# Altium PCB MailboxSensorV2.PcbDoc (part 1 of 2) (continued)
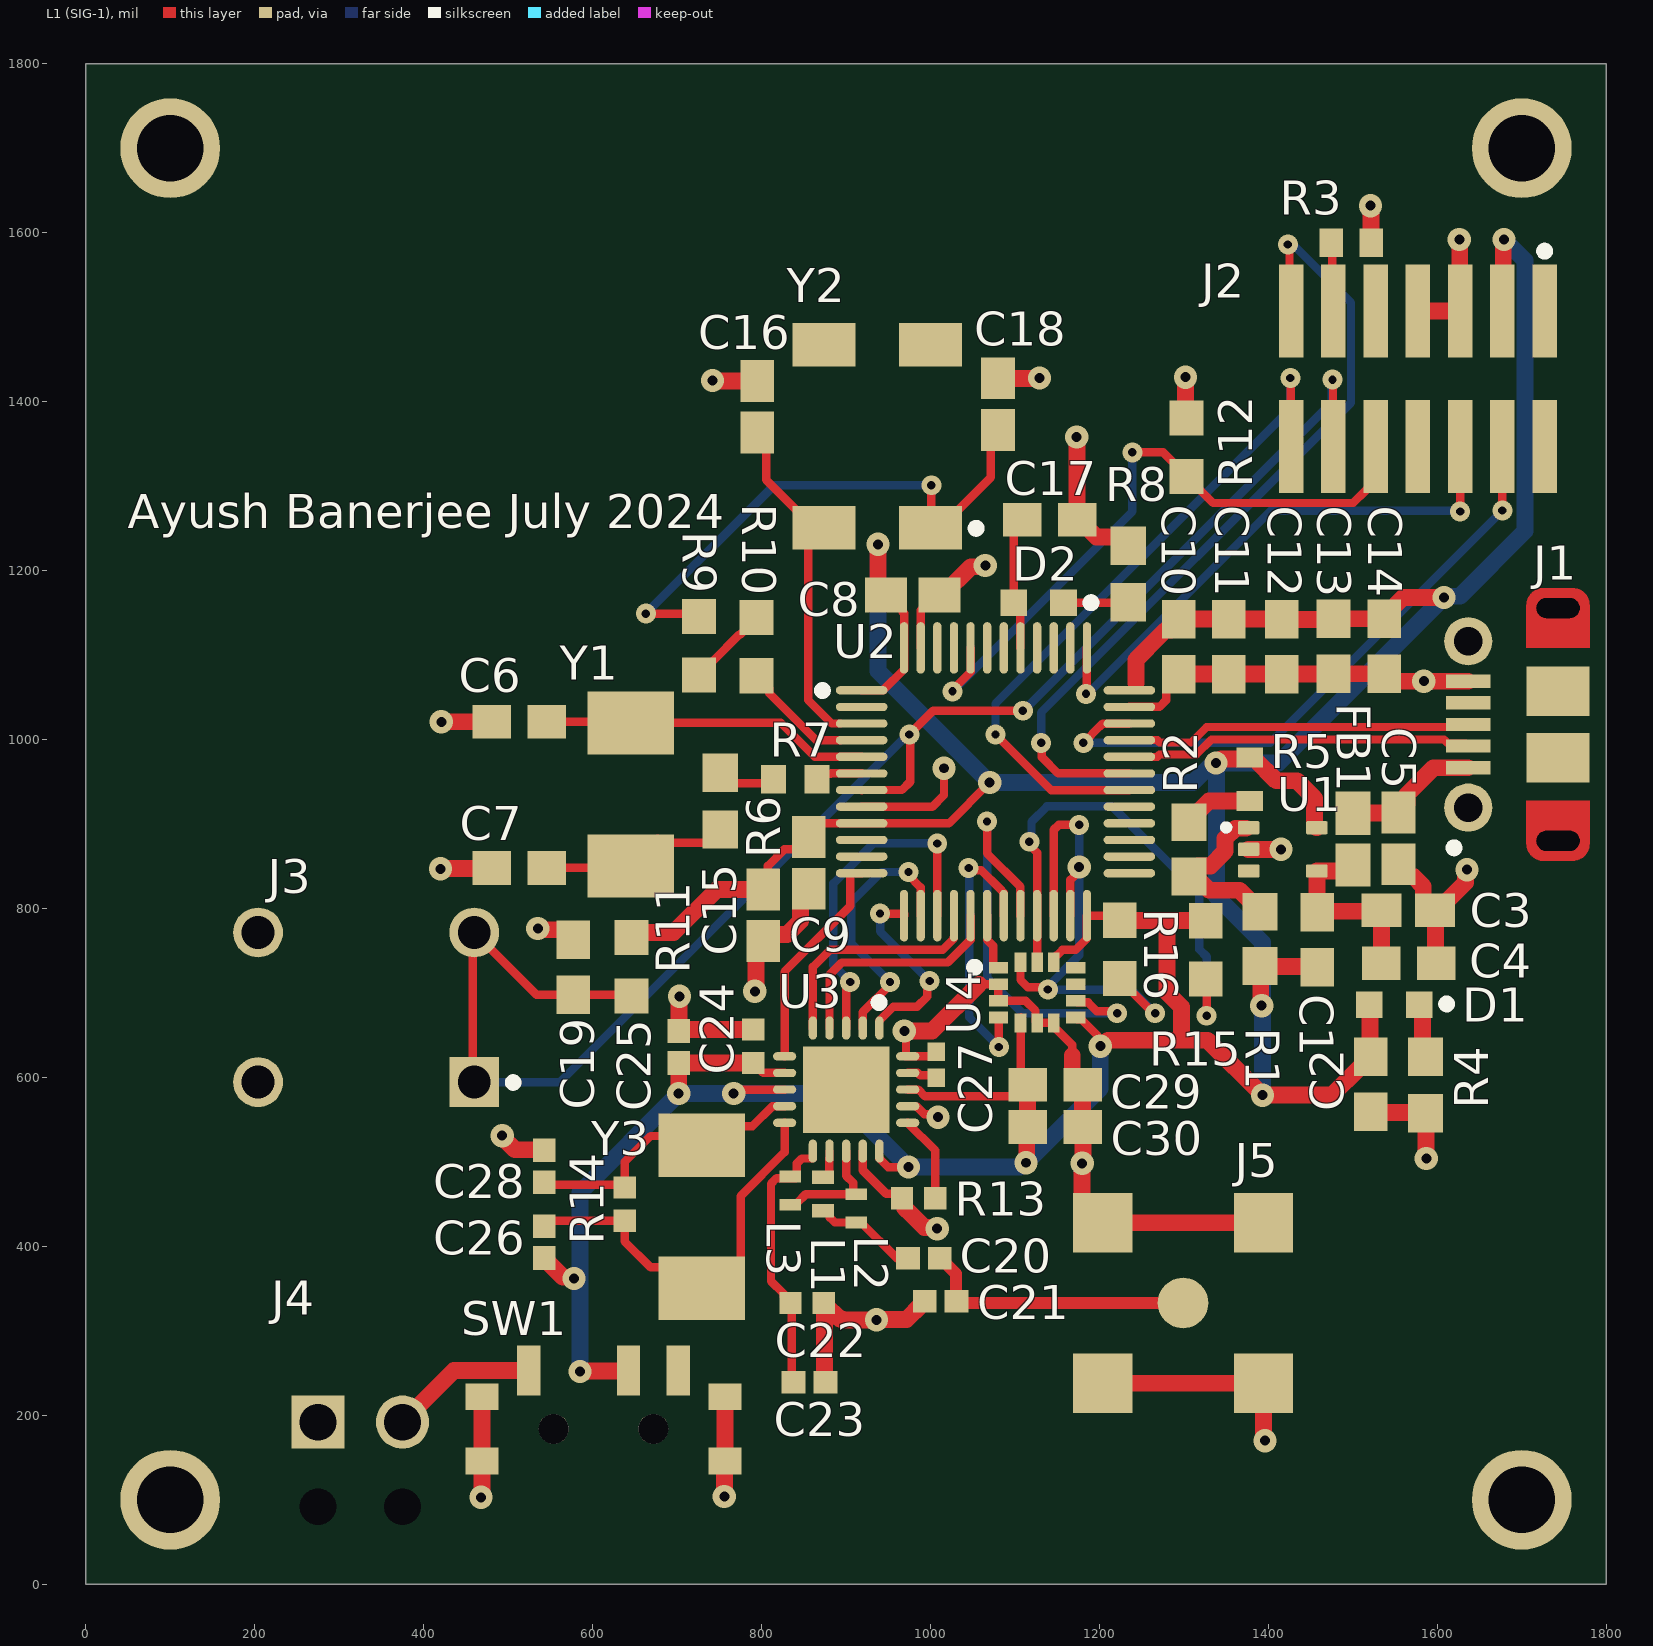
[diagram p0: L1 (SIG-1) view]
## Part data (continued)
C24: library part 10nF_0402_Capacitor, "Ceramic Capacitor, Multilayer, Ceramic, 16V, 10% +Tol, 10% -Tol, X7R, 15% TC, 0.01uF, Surface Mount, 0402, CC0402KRX7R7BB103", Capacitor Type=Ceramic, Case/Package=0402, Manufacturer=Yageo, Manufacturer Part Number=CC0402KRX7R7BB103, Max Operating Temperature=125°C, Min Operating Temperature=-55°C, Package Shape=Rectangular, Package Style=SMTMeter, Rated DC Voltage (URdc)=16V, Supplier Part Number=311-1042-1-ND, Temperature Characteristics Code=X7R, Tolerance  (fill in as +-)=10%, Category="Ceramic Capacitors", ComponentLink1Description=https://datasheet.ciiva.com:443/pdfs/VipMasterIC/IC/YAGO/YAGO-S-A0003557223/YAGO-S-A0003557223-1.pdf?src-supplier=IHS+Markit, ComponentLink1URL=https://datasheet.ciiva.com:443/pdfs/VipMasterIC/IC/YAGO/YAGO-S-A0003557223/YAGO-S-A0003557223-1.pdf?src-supplier=IHS+Markit, ComponentLink2Description=https://datasheet.ciiva.com/143/mlccorderingcode-143950.pdf?src-supplier=Digikey, ComponentLink2URL=https://datasheet.ciiva.com/143/mlccorderingcode-143950.pdf?src-supplier=Digikey, ComponentLink3Description=https://datasheet.ciiva.com/143/mlccorderingcode-143951.pdf?src-supplier=Digikey, ComponentLink3URL=https://datasheet.ciiva.com/143/mlccorderingcode-143951.pdf?src-supplier=Digikey, ComponentLink4Description=https://datasheet.ciiva.com/143/upy-gphc-x7r-6-3v-to-50v-8-143952.pdf?src-supplier=Digikey, ComponentLink4URL=https://datasheet.ciiva.com/143/upy-gphc-x7r-6-3v-to-50v-8-143952.pdf?src-supplier=Digikey, ComponentLink5Description=https://datasheet.ciiva.com/28450/1489800-28450330.pdf?src-supplier=Element14, ComponentLink5URL=https://datasheet.ciiva.com/28450/1489800-28450330.pdf?src-supplier=Element14, ComponentLink6Description=https://datasheet.ciiva.com/8033/70765-8033655.pdf?src-supplier=Element14, ComponentLink6URL=https://datasheet.ciiva.com/8033/70765-8033655.pdf?src-supplier=Element14, ComponentLink7Description=https://datasheet.ciiva.com/8033/1489800-8033658.pdf?src-supplier=Element14, ComponentLink7URL=https://datasheet.ciiva.com/8033/1489800-8033658.pdf?src-supplier=Element14, ComponentLink8Description=https://datasheet.ciiva.com/8033/1489800-8033659.pdf?src-supplier=Element14, ComponentLink8URL=https://datasheet.ciiva.com/8033/1489800-8033659.pdf?src-supplier=Element14, ComponentLink9Description=https://datasheet.ciiva.com/5425/upy-gp-np0-16v-to-50v-8-3714-5425438.pdf?src-supplier=Mouser, ComponentLink9URL=https://datasheet.ciiva.com/5425/upy-gp-np0-16v-to-50v-8-3714-5425438.pdf?src-supplier=Mouser, ComponentLink10Description=https://datasheet.ciiva.com/7978/1489800-7978109.pdf?src-supplier=Element14, ComponentLink10URL=https://datasheet.ciiva.com/7978/1489800-7978109.pdf?src-supplier=Element14, Dielectric Material=Ceramic, Height=0.5mm, JESD-609 Code=e3, Length=1mm, Mounting Technology="Surface Mount", Multilayer=Yes, Packaging="Tape and Reel", Pins=2, Pricing="1=0.1, 10=0.015, 50=0.0088, 100=0.0068, 500=0.0051, 1000=0.004, 2500=0.00364, 5000=0.00335 (USD)", Reach SVHC Compliant=Yes, RoHS=Yes, RoHS Compliant=Yes, Stock=1013311, Supplier=Digikey, Supplier 1=Digikey, Supplier Part Number 1=311-1042-1-ND, Terminal Finish=Nickel, Termination=Wraparound, Tolerance (fill in as +-)=10%, Width=0.5mm
C25: library part 1nF_0402_Capacitor, "Ceramic Capacitor, Multilayer, Ceramic, 50V, 5% +Tol, 5% -Tol, C0G, 30ppm/Cel TC, 0.001uF, Surface Mount, 0402, GRM1555C1H102JA01D", Capacitor Type=Ceramic, Case/Package=0402, Manufacturer=Murata, Manufacturer Part Number=GRM1555C1H102JA01D, Max Operating Temperature=125°C, Min Operating Temperature=-55°C, Package Shape=Rectangular, Package Style=SMTMeter, Rated DC Voltage (URdc)=50V, Supplier Part Number=490-3244-1-ND, Temperature Characteristics Code=C0G, Tolerance  (fill in as +-)=5%, Category="Ceramic Capacitors", ComponentLink1Description=https://psearch.en.murata.com:443/capacitor/product/GRM1555C1H102JA01%23.pdf?src-supplier=IHS+Markit, ComponentLink1URL=https://psearch.en.murata.com:443/capacitor/product/GRM1555C1H102JA01%23.pdf?src-supplier=IHS+Markit, ComponentLink2Description=https://datasheet.ciiva.com/11786/0900766b807a1cab-11786727.pdf?src-supplier=Rs, ComponentLink2URL=https://datasheet.ciiva.com/11786/0900766b807a1cab-11786727.pdf?src-supplier=Rs, ComponentLink3Description=https://datasheet.ciiva.com/132/grm1555c1h102ja01-01-132799.pdf?src-supplier=Digikey, ComponentLink3URL=https://datasheet.ciiva.com/132/grm1555c1h102ja01-01-132799.pdf?src-supplier=Digikey, ComponentLink4Description=https://datasheet.ciiva.com/132/product-132800.pdf?src-supplier=Digikey, ComponentLink4URL=https://datasheet.ciiva.com/132/product-132800.pdf?src-supplier=Digikey, ComponentLink5Description=https://datasheet.ciiva.com/18184/getdatasheetpartid-90260-18184180.pdf?src-supplier=Verical, ComponentLink5URL=https://datasheet.ciiva.com/18184/getdatasheetpartid-90260-18184180.pdf?src-supplier=Verical, ComponentLink6Description=https://datasheet.ciiva.com/34302/1855908-34302849.pdf?src-supplier=Jameco, ComponentLink6URL=https://datasheet.ciiva.com/34302/1855908-34302849.pdf?src-supplier=Jameco, ComponentLink7Description=https://datasheet.ciiva.com/29200/453569-da-01-en-vs-kondensator-0402-29200121.pdf?src-supplier=Conrad, ComponentLink7URL=https://datasheet.ciiva.com/29200/453569-da-01-en-vs-kondensator-0402-29200121.pdf?src-supplier=Conrad, ComponentLink8Description=https://datasheet.ciiva.com/14116/grmseries-tc-hitype-eng-14116858.pdf?src-supplier=Distrelec, ComponentLink8URL=https://datasheet.ciiva.com/14116/grmseries-tc-hitype-eng-14116858.pdf?src-supplier=Distrelec, ComponentLink9Description=https://datasheet.ciiva.com/14116/grmseries-tc-hitype-eng-14116919.pdf?src-supplier=Distrelec, ComponentLink9URL=https://datasheet.ciiva.com/14116/grmseries-tc-hitype-eng-14116919.pdf?src-supplier=Distrelec, ComponentLink10Description=https://datasheet.ciiva.com/7828/4360-7828821.pdf?src-supplier=Element14, ComponentLink10URL=https://datasheet.ciiva.com/7828/4360-7828821.pdf?src-supplier=Element14, ComponentLink11Description=https://datasheet.ciiva.com/7828/1747436-7828822.pdf?src-supplier=Element14, ComponentLink11URL=https://datasheet.ciiva.com/7828/1747436-7828822.pdf?src-supplier=Element14, ComponentLink12Description=https://datasheet.ciiva.com/132/grm1555c1h102ja01-01-132801.pdf?src-supplier=Digikey, ComponentLink12URL=https://datasheet.ciiva.com/132/grm1555c1h102ja01-01-132801.pdf?src-supplier=Digikey, Dielectric Material=Ceramic, Height=0.5mm, JESD-609 Code=e3, Length=1mm, Mounting Technology="Surface Mount", Multilayer=Yes, Packaging="Tape and Reel", Pins=2, Pricing="1=0.1, 10=0.025, 50=0.0146, 100=0.0113, 500=0.00848, 1000=0.00666, 2500=0.00605, 5000=0.00557 (USD)", Reach SVHC Compliant=Yes, RoHS=Yes, RoHS Compliant=Yes, Stock=19426344, Supplier=Digikey, Supplier 1=Digikey, Supplier Part Number 1=490-3244-1-ND, Terminal Finish=Nickel, Termination=Wraparound, Tolerance (fill in as +-)=5%, Width=0.5mm
C26 C28: library part 20pF_0402_Capacitor, "Ceramic Capacitor, Multilayer, Ceramic, 50V, 5% +Tol, 5% -Tol, C0G, 30% TC, 0.00002uF, Surface Mount, 0402, GJM1555C1H200JB01D", Capacitor Type=Ceramic, Case/Package=0402, Manufacturer=Murata, Manufacturer Part Number=GJM1555C1H200JB01D, Max Operating Temperature=125°C, Min Operating Temperature=-55°C, Package Shape=Rectangular, Package Style=SMTMeter, Rated DC Voltage (URdc)=50V, Supplier Part Number=490-3120-1-ND, Temperature Characteristics Code=C0G, Tolerance  (fill in as +-)=5%, Category="Ceramic Capacitors", ComponentLink1Description=https://datasheet.ciiva.com:443/pdfs/VipMasterIC/IC/MURE/MURE-S-A0004383799/MURE-S-A0004383921-1.pdf?src-supplier=IHS+Markit, ComponentLink1URL=https://datasheet.ciiva.com:443/pdfs/VipMasterIC/IC/MURE/MURE-S-A0004383799/MURE-S-A0004383921-1.pdf?src-supplier=IHS+Markit, ComponentLink2Description=https://datasheet.ciiva.com/165/product-165055.pdf?src-supplier=Digikey, ComponentLink2URL=https://datasheet.ciiva.com/165/product-165055.pdf?src-supplier=Digikey, ComponentLink3Description=https://datasheet.ciiva.com/29540/partnumbering-e-01-29540584.pdf?src-supplier=Digikey, ComponentLink3URL=https://datasheet.ciiva.com/29540/partnumbering-e-01-29540584.pdf?src-supplier=Digikey, ComponentLink4Description=https://datasheet.ciiva.com/29540/partnumbering-e-01-29540583.pdf?src-supplier=Digikey, ComponentLink4URL=https://datasheet.ciiva.com/29540/partnumbering-e-01-29540583.pdf?src-supplier=Digikey, Dielectric Material=Ceramic, Height=0.5mm, JESD-609 Code=e3, Length=1mm, Mounting Technology="Surface Mount", Multilayer=Yes, Packaging="Tape and Reel", Pins=2, Pricing="1=0.17, 10=0.116, 50=0.0694, 100=0.0546, 500=0.0403, 1000=0.03337, 2500=0.03106, 5000=0.02841 (USD)", Reach SVHC Compliant=Yes, RoHS=Yes, RoHS Compliant=Yes, Stock=56145, Supplier=Digikey, Supplier 1=Digikey, Supplier Part Number 1=490-3120-1-ND, Terminal Finish=Nickel, Termination=Wraparound, Tolerance (fill in as +-)=5%, Width=0.5mm
C27: library part 33nF_0402_Capacitor, "Ceramic Capacitor, Multilayer, Ceramic, 25V, 10% +Tol, 10% -Tol, X7R, 15% TC, 0.033uF, Surface Mount, 0402, GRM155R71E333KA88D", Capacitor Type=Ceramic, Case/Package=0402, Manufacturer=Murata, Manufacturer Part Number=GRM155R71E333KA88D, Max Operating Temperature=125°C, Min Operating Temperature=-55°C, Package Shape=Rectangular, Package Style=SMTMeter, Rated DC Voltage (URdc)=25V, Supplier Part Number=490-3253-1-ND, Temperature Characteristics Code=X7R, Tolerance  (fill in as +-)=10%, Category="Ceramic Capacitors", ComponentLink1Description=https://datasheet.ciiva.com:443/pdfs/VipMasterIC/IC/MURE/MURE-S-A0004362469/MURE-S-A0004364704-1.pdf?src-supplier=IHS+Markit, ComponentLink1URL=https://datasheet.ciiva.com:443/pdfs/VipMasterIC/IC/MURE/MURE-S-A0004362469/MURE-S-A0004364704-1.pdf?src-supplier=IHS+Markit, ComponentLink2Description=https://datasheet.ciiva.com/131/product-131792.pdf?src-supplier=Digikey, ComponentLink2URL=https://datasheet.ciiva.com/131/product-131792.pdf?src-supplier=Digikey, ComponentLink3Description=https://datasheet.ciiva.com/18184/getdatasheetpartid-153135-18184704.pdf?src-supplier=Verical, ComponentLink3URL=https://datasheet.ciiva.com/18184/getdatasheetpartid-153135-18184704.pdf?src-supplier=Verical, ComponentLink4Description=https://datasheet.ciiva.com/7937/608985-7937622.pdf?src-supplier=Element14, ComponentLink4URL=https://datasheet.ciiva.com/7937/608985-7937622.pdf?src-supplier=Element14, ComponentLink5Description=https://datasheet.ciiva.com/131/grm155r71e333ka88-01-131793.pdf?src-supplier=Digikey, ComponentLink5URL=https://datasheet.ciiva.com/131/grm155r71e333ka88-01-131793.pdf?src-supplier=Digikey, ComponentLink6Description=https://datasheet.ciiva.com/131/grm155r71e333ka88-01-131794.pdf?src-supplier=Digikey, ComponentLink6URL=https://datasheet.ciiva.com/131/grm155r71e333ka88-01-131794.pdf?src-supplier=Digikey, ComponentLink7Description=https://datasheet.ciiva.com/2989/product-2989391.pdf?src-supplier=Avnet, ComponentLink7URL=https://datasheet.ciiva.com/2989/product-2989391.pdf?src-supplier=Avnet, ComponentLink8Description=https://datasheet.ciiva.com/2989/product-2989392.pdf?src-supplier=Avnet, ComponentLink8URL=https://datasheet.ciiva.com/2989/product-2989392.pdf?src-supplier=Avnet, ComponentLink9Description=https://datasheet.ciiva.com/14103/grmseries-highdielectrictype-eng-14103753.pdf?src-supplier=Distrelec, ComponentLink9URL=https://datasheet.ciiva.com/14103/grmseries-highdielectrictype-eng-14103753.pdf?src-supplier=Distrelec, ComponentLink10Description=https://datasheet.ciiva.com/16208/product-16208394.pdf?src-supplier=Future+Electronics, ComponentLink10URL=https://datasheet.ciiva.com/16208/product-16208394.pdf?src-supplier=Future+Electronics, Dielectric Material=Ceramic, Height=0.5mm, JESD-609 Code=e3, Length=1mm, Mounting Technology="Surface Mount", Multilayer=Yes, Packaging="Tape and Reel", Pins=2, Pricing="1=0.1, 10=0.059, 50=0.034, 100=0.0263, 500=0.01982, 1000=0.01558, 2500=0.01416, 5000=0.01303 (USD)", Reach SVHC Compliant=Yes, RoHS=Yes, RoHS Compliant=Yes, Stock=395671, Supplier=Digikey, Supplier 1=Digikey, Supplier Part Number 1=490-3253-1-ND, Terminal Finish=Nickel, Termination=Wraparound, Tolerance (fill in as +-)=10%, Width=0.5mm
D1: library part Green_LED, "Single Color LED, Yellow Green, 1.1mm, VLMG1300-GS08", Color=Green,Yellow, Forward Current=30mA, Forward Voltage=2.4V, Manufacturer="Vishay Semiconductors", Manufacturer Part Number=VLMG1300-GS08, Max Operating Temperature=85°C, Min Operating Temperature=-35°C, Reverse Voltage-Max=5V, Supplier Part Number=VLMG1300-GS08CT-ND, Additional Feature="HIGH RELIABILITY", Category=LEDs, Channels=1, Color@wavelength=Green, ComponentLink1Description=https://datasheet.ciiva.com:443/pdfs/VipMasterIC/IC/VISH/VISH-S-A0004564149/VISH-S-A0004564149-1.pdf?src-supplier=IHS+Markit, ComponentLink1URL=https://datasheet.ciiva.com:443/pdfs/VipMasterIC/IC/VISH/VISH-S-A0004564149/VISH-S-A0004564149-1.pdf?src-supplier=IHS+Markit, ComponentLink2Description=https://datasheet.ciiva.com/8028/vlmo1300-8028023.pdf?src-supplier=Element14, ComponentLink2URL=https://datasheet.ciiva.com/8028/vlmo1300-8028023.pdf?src-supplier=Element14, ComponentLink3Description=https://datasheet.ciiva.com/2114/vlmo1300-2114971.pdf?src-supplier=Digikey, ComponentLink3URL=https://datasheet.ciiva.com/2114/vlmo1300-2114971.pdf?src-supplier=Digikey, ComponentLink4Description=https://datasheet.ciiva.com/2114/vlmo1300-2114972.pdf?src-supplier=Digikey, ComponentLink4URL=https://datasheet.ciiva.com/2114/vlmo1300-2114972.pdf?src-supplier=Digikey, ComponentLink5Description=https://datasheet.ciiva.com/2114/vlmo1300-2114973.pdf?src-supplier=Digikey, ComponentLink5URL=https://datasheet.ciiva.com/2114/vlmo1300-2114973.pdf?src-supplier=Digikey, ComponentLink6Description=https://datasheet.ciiva.com/9333/vlmo1300-9333390.pdf?src-supplier=Avnet, ComponentLink6URL=https://datasheet.ciiva.com/9333/vlmo1300-9333390.pdf?src-supplier=Avnet, ComponentLink7Description=https://datasheet.ciiva.com/26322/vlmo1300-26322139.pdf?src-supplier=Element14, ComponentLink7URL=https://datasheet.ciiva.com/26322/vlmo1300-26322139.pdf?src-supplier=Element14, ComponentLink8Description=https://datasheet.ciiva.com/26322/vlmo1300-26322140.pdf?src-supplier=Element14, ComponentLink8URL=https://datasheet.ciiva.com/26322/vlmo1300-26322140.pdf?src-supplier=Element14, Luminous Intensity-Nom=35mcd, Mounting Technology="Surface Mount", Optoelectronic Device Type="DUAL COLOR LED", Overall Height=0.8mm, Packaging="Tape and Reel", Pins=2, Pricing="1=0.3, 10=0.237, 100=0.1065, 500=0.09616, 1000=0.07898 (USD)", Reach SVHC Compliant=Yes, RoHS=Yes, RoHS Compliant=Yes, Shape=Rectangular, Size=1.1mm, Stock=12007, Supplier=Digikey, Supplier 1=Digikey, Supplier Part Number 1=VLMG1300-GS08CT-ND, Terminal Pitch=1.5mm, Viewing Angle=130°
D2: library part Blue_LED, "Single Color LED, Ultra Bright Blue, Water Clear, 1.1mm, LTST-C191TBKT", Forward Current=20mA, Forward Voltage=3.8V, Manufacturer="Vishay Lite-On", Manufacturer Part Number=LTST-C191TBKT, Max Operating Temperature=80°C, Min Operating Temperature=-20°C, Reverse Voltage-Max=5V, Supplier Part Number=160-1647-1-ND, Category=LEDs, Channels=1, Color=Blue, Color@wavelength=Blue, ComponentLink1Description=https://datasheet.ciiva.com:443/pdfs/VipMasterIC/IC/LITE/LITE-S-A0009182577/LITE-S-A0009182577-1.pdf?src-supplier=IHS+Markit, ComponentLink1URL=https://datasheet.ciiva.com:443/pdfs/VipMasterIC/IC/LITE/LITE-S-A0009182577/LITE-S-A0009182577-1.pdf?src-supplier=IHS+Markit, JESD-609 Code=e3, Lens Style="WATER CLEAR", Luminous Intensity-Min=130cd, Luminous Intensity-Nom=104mcd, Mounting Technology="Surface Mount", Optoelectronic Device Type="SINGLE COLOR LED", Overall Height=0.55mm, Packaging="Tape and Reel", Pins=2, Pricing="1=0.34, 10=0.265, 100=0.119, 500=0.10746, 1000=0.08827, 2000=0.07676 (USD)", Reach SVHC Compliant=Yes, RoHS=Yes, RoHS Compliant=Yes, Shape=Rectangular, Size=1.1mm, Stock=182377, Supplier=Digikey, Supplier 1=Digikey, Supplier Part Number 1=160-1647-1-ND, Terminal Finish=Tin, Terminal Pitch=1.5mm, Viewing Angle=130°
FB1: library part Ferrite_Bead, "Ferrite Chip, 1 Function(s), 1.4A, 2 Pin(s), BLM18PG221SN1D", Case Code=0603, Clock Frequency=100MHz, Current Rating=1.4A, DC Resistance-Max=100mR, Manufacturer=Murata, Max Operating Temperature=125°C, Min Operating Temperature=-55°C, Supplier Part Number=490-5221-1-ND, Category="Ferrite Beads and Chips", Channels=1, ComponentLink1Description=https://datasheet.ciiva.com:443/pdfs/VipMasterIC/IC/MURE/MURE-S-A0008515861/MURE-S-A0008515861-1.pdf?src-supplier=IHS+Markit, ComponentLink1URL=https://datasheet.ciiva.com:443/pdfs/VipMasterIC/IC/MURE/MURE-S-A0008515861/MURE-S-A0008515861-1.pdf?src-supplier=IHS+Markit, ComponentLink2Description=https://datasheet.ciiva.com/19458/1845030-19458417.pdf?src-supplier=Jameco, ComponentLink2URL=https://datasheet.ciiva.com/19458/1845030-19458417.pdf?src-supplier=Jameco, ComponentLink3Description=https://datasheet.ciiva.com/11800/0900766b81275ca5-11800851.pdf?src-supplier=Rs, ComponentLink3URL=https://datasheet.ciiva.com/11800/0900766b81275ca5-11800851.pdf?src-supplier=Rs, ComponentLink4Description=https://datasheet.ciiva.com/29347/442391-da-01-en-chip-drossel-0603-220r-1400ma-1-6x0-8mm-29347986.pdf?src-supplier=Conrad, ComponentLink4URL=https://datasheet.ciiva.com/29347/442391-da-01-en-chip-drossel-0603-220r-1400ma-1-6x0-8mm-29347986.pdf?src-supplier=Conrad, ComponentLink5Description=https://datasheet.ciiva.com/1012/l0110s0100blm18p-1012161.pdf?src-supplier=Digikey, ComponentLink5URL=https://datasheet.ciiva.com/1012/l0110s0100blm18p-1012161.pdf?src-supplier=Digikey, ComponentLink6Description=https://datasheet.ciiva.com/1012/l0110s0100blm18p-1012162.pdf?src-supplier=Digikey, ComponentLink6URL=https://datasheet.ciiva.com/1012/l0110s0100blm18p-1012162.pdf?src-supplier=Digikey, ComponentLink7Description=https://datasheet.ciiva.com/1012/l0110s0100blm18p-1012163.pdf?src-supplier=Digikey, ComponentLink7URL=https://datasheet.ciiva.com/1012/l0110s0100blm18p-1012163.pdf?src-supplier=Digikey, ComponentLink8Description=https://datasheet.ciiva.com/3081/l0110s0100blm18p-3081633.pdf?src-supplier=Avnet, ComponentLink8URL=https://datasheet.ciiva.com/3081/l0110s0100blm18p-3081633.pdf?src-supplier=Avnet, ComponentLink9Description=https://datasheet.ciiva.com/8021/5148-8021482.pdf?src-supplier=Element14, ComponentLink9URL=https://datasheet.ciiva.com/8021/5148-8021482.pdf?src-supplier=Element14, ComponentLink10Description=https://datasheet.ciiva.com/8021/5148-8021479.pdf?src-supplier=Element14, ComponentLink10URL=https://datasheet.ciiva.com/8021/5148-8021479.pdf?src-supplier=Element14, ComponentLink11Description=https://datasheet.ciiva.com/14122/blm-series-eng-tds-14122909.pdf?src-supplier=Distrelec, ComponentLink11URL=https://datasheet.ciiva.com/14122/blm-series-eng-tds-14122909.pdf?src-supplier=Distrelec, ComponentLink12Description=https://datasheet.ciiva.com/16205/l0110s0100blm18p-16205422.pdf?src-supplier=Future+Electronics, ComponentLink12URL=https://datasheet.ciiva.com/16205/l0110s0100blm18p-16205422.pdf?src-supplier=Future+Electronics, Construction="Chip Bead", Filter Type="FERRITE CHIP", Height=0.8mm, JESD-609 Code=e3, Length=1.6mm, Manufacturer Part Number=BLM18PG221SN1D, Material=Ferrite, Min Frequency=100MHz, Mounting Technology="Surface Mount", Output Impedance=220R, Packaging="Tape and Reel", Pricing="1=0.1, 10=0.078, 25=0.0712, 50=0.064, 100=0.0469, 250=0.03412, 500=0.03128, 1000=0.02701 (USD)", Reach SVHC Compliant=Yes, RoHS=Yes, RoHS Compliant=Yes, Stock=159892, Supplier=Digikey, Supplier 1=Digikey, Supplier Part Number 1=490-5221-1-ND, Terminal Finish=Tin, Width=0.8mm
J1: "Telecom and Datacom Connector, 5 Contact(s), Female, Right Angle, Surface Mount Terminal, Detent, Receptacle, 1050170001", Contact Resistance=30mR, Dielectric Withstanding Voltage (AC)=100V, Insulation Resistance=1GR, Manufacturer=Molex, Manufacturer Part Number=1050170001, Max Operating Temperature=85°C, Min Operating Temperature=-30°C, Rated Current (Signal)=1.8A, Supplier Part Number=538-105017-0001, Supplier Part Number 1=WM1399CT-ND, Additional Feature=Shielded, Board Mounting Option=PEG, Body Breadth=0.114inch, Body Depth=0.213inch, Body Length=0.315inch, Body/Shell Style=RECEPTACLE, Category="USB Connectors", ComponentLink1Description=https://datasheet.ciiva.com:443/pdfs/VipMasterIC/IC/MOLE/MOLE-S-A0006795785/MOLE-S-A0006864883-1.pdf?src-supplier=IHS+Markit, ComponentLink1URL=https://datasheet.ciiva.com:443/pdfs/VipMasterIC/IC/MOLE/MOLE-S-A0006795785/MOLE-S-A0006864883-1.pdf?src-supplier=IHS+Markit, Connector Type="TELECOM AND DATACOM CONNECTOR", Contact Finish - Mating=GOLD, Contact Finish - Termination="Gold (Au) - with Nickel (Ni) barrier", Contact Gender=Female, Contact Material="Copper Alloy", Contact Style=USB, DIN Conformance=No, Durability=10000Cycles, Empty Shell=No, Filter Feature=No, IEC Conformance=No, Insulation Material=Polymer, JESD-609 Code=e4, MIL Conformance=No, Mixed Contacts=No, Mounting Option 1=DETENT, Mounting Option 2=LOCKING, Mounting Style="RIGHT ANGLE", Mounting Technology=Cable, Number Of Connectors=1, Number of Contacts=5, Number Of PCB Rows=1, Option="General Purpose", PCB Contact Pattern=RECTANGULAR, Polarization Key="POLARIZED HOUSING", Pricing="1=1.01, 10=0.856, 50=0.856, 100=0.769, 500=0.629, 1000=0.559, 2000=0.507, 4000=0.495, 10000=0.495 (USD)", Reach SVHC Compliant=Yes, Reference Standard=UL, Reliability=COMMERCIAL, RoHS=Yes, RoHS Compliant=Yes, Shell Finish=Tin, Shell Material="Stainless Steel", Stock=33502, Supplier=Mouser, Supplier 1=Digikey, Terminal Pitch=0.635mm, Termination=SMD/SMT
J2: library part SWD_Header_Connector, "Board Connector, 14 Contact(s), 2 Row(s), Male, Straight, 0.05 inch Pitch, Surface Mount Terminal, Locking, Receptacle, FTSH-107-01-L-DV-K", Flammability Rating="UL94 V-0", Manufacturer=Samtec, Supplier Part Number=SAM9449-ND, Body Breadth=0.135inch, Body Length=0.35inch, Body/Shell Style=RECEPTACLE, Category="Headers and Wire Housings", ComponentLink1Description=https://datasheet.ciiva.com:443/pdfs/VipMasterIC/IC/SAMI/SAMI-S-A0002896813/SAMI-S-A0002896813-1.pdf?src-supplier=IHS+Markit, ComponentLink1URL=https://datasheet.ciiva.com:443/pdfs/VipMasterIC/IC/SAMI/SAMI-S-A0002896813/SAMI-S-A0002896813-1.pdf?src-supplier=IHS+Markit, ComponentLink2Description=https://datasheet.ciiva.com/10025/ftsh-mt-10025350.pdf?src-supplier=Avnet, ComponentLink2URL=https://datasheet.ciiva.com/10025/ftsh-mt-10025350.pdf?src-supplier=Avnet, Connector Type="BOARD CONNECTOR", Contact Finish - Mating="GOLD (10) OVER NICKEL (50)", Contact Finish - Termination="Tin (Sn) - with Nickel (Ni) barrier", Contact Gender=Male, Contact Material=Bronze, Contact Pattern=RECTANGULAR, Contact Style="SQ PIN-SKT", DIN Conformance=No, Filter Feature=No, IEC Conformance=No, Insulation Material=Polymer, JESD-609 Code=e3, Manufacturer Part Number=FTSH-107-01-L-DV-K, Mating Contact Pitch=0.05inch, Mating Contact Row Spacing=0.05inch, Mating Information="MULTIPLE MATING PARTS AVAILABLE", MIL Conformance=No, Mixed Contacts=No, Mounting Option 1=LOCKING, Mounting Style=STRAIGHT, Mounting Technology=Board, Number Of Connectors=1, Number of Contacts=14, Number Of PCB Rows=2, Number of Rows Loaded=2, Option="General Purpose", PCB Contact Pattern=RECTANGULAR, PCB Contact Row Spacing=4.064mm, Plating Thickness=10uin, Pricing="1=3.08, 10=2.797, 100=2.4644, 500=2.09474, 1000=1.78669, 5000=1.60186 (USD)", Reach SVHC Compliant=Yes, Reference Standard=UL, Reliability=COMMERCIAL, RoHS=Yes, RoHS Compliant=Yes, Stock=4794, Supplier=Digikey, Supplier 1=Digikey, Supplier Part Number 1=SAM9449-ND, Terminal Pitch=1.27mm, Termination=SMD/SMT
J3: library part Push_Button, "Keypad Switch, 1 Switches, SPST, Momentary-tactile, 0.05A, 24VDC, 2.06N, 4 PCB Hole Cnt, Solder Terminal, Through Hole-straight, 1825910-6 TE Connectivity Alcoswitch", Contact Current(DC)-Max=50mA, Contact DC Max Rating R Load=.05A@24VDC, Contact Voltage(DC)-Max=24V, Manufacturer="TE Connectivity Alcoswitch", Manufacturer Part Number=1825910-6, Max Operating Temperature=85°C, Min Operating Temperature=-35°C, Operating Force-Max=2.06N, Supplier Part Number=450-1650-ND, Body Breadth=5.99inch, Body Height=3.61mm, Body Length or Diameter=5.99mm, Category="Pushbutton Switches", Circuit Configuration=1X1, ComponentLink1Description=https://datasheet.ciiva.com:443/pdfs/VipMasterIC/IC/TYEL/TYEL-S-A0008869674/TYEL-S-A0008850909-1.pdf?src-supplier=IHS+Markit, ComponentLink1URL=https://datasheet.ciiva.com:443/pdfs/VipMasterIC/IC/TYEL/TYEL-S-A0008869674/TYEL-S-A0008850909-1.pdf?src-supplier=IHS+Markit, Electrical Life=100000Cycles, Mounting Technology="Through Hole", Number of Switches=1, Pricing="1=0.13, 10=0.125, 25=0.1184, 100=0.1078, 250=0.10132, 750=0.09268, 1500=0.07759, 3000=0.07544, 5250=0.07113 (USD)", Reach SVHC Compliant=Yes, RoHS=Yes, RoHS Compliant=Yes, Stock=45133, Supplier=Digikey, Supplier 1=Digikey, Supplier Part Number 1=450-1650-ND, Switch Action=MOMENTARY, Switch Function=SPST, Switch Type=Keypad, Termination=Solder
J4: library part Screw_Terminal, "Barrier Strip Terminal Block, 6A, 0.5mm2, 1 Row(s), 1 Deck(s), 1725656 Phoenix Contact", Current Rating=6A, Manufacturer="Phoenix Contact", Manufacturer Part Number=1725656, Supplier Part Number=277-1273-ND, Voltage Rating=160V, Category="Terminal Blocks", ComponentLink1Description=https://www.phoenixcontact.com:443/online/portal/us?uri=pxc-oc-itemdetail%3apid%3d1725656&library=usen&pcck=P-11-01-05&tab=1&src-supplier=IHS+Markit, ComponentLink1URL=https://www.phoenixcontact.com:443/online/portal/us?uri=pxc-oc-itemdetail%3apid%3d1725656&library=usen&pcck=P-11-01-05&tab=1&src-supplier=IHS+Markit, ComponentLink2Description=https://datasheet.ciiva.com/1120/319957-1120510.pdf?src-supplier=Farnell, ComponentLink2URL=https://datasheet.ciiva.com/1120/319957-1120510.pdf?src-supplier=Farnell, ComponentLink3Description=https://datasheet.ciiva.com/823/1725656-823793.pdf?src-supplier=Digikey, ComponentLink3URL=https://datasheet.ciiva.com/823/1725656-823793.pdf?src-supplier=Digikey, ComponentLink4Description=https://datasheet.ciiva.com/16071/1725656-16071846.pdf?src-supplier=Onlinecomponents.com, ComponentLink4URL=https://datasheet.ciiva.com/16071/1725656-16071846.pdf?src-supplier=Onlinecomponents.com, ComponentLink5Description=https://datasheet.ciiva.com/15169/getdatasheetpartid-199323-15169849.pdf?src-supplier=Verical, ComponentLink5URL=https://datasheet.ciiva.com/15169/getdatasheetpartid-199323-15169849.pdf?src-supplier=Verical, ComponentLink6Description=https://datasheet.ciiva.com/26340/788052-da-01-en-100ntklemme-1725656-250-st-26340907.pdf?src-supplier=Conrad, ComponentLink6URL=https://datasheet.ciiva.com/26340/788052-da-01-en-100ntklemme-1725656-250-st-26340907.pdf?src-supplier=Conrad, Fastening Method=SCREW, Mounting Technology=Board, Number of Decks=1, Number of Rows=1, Number of Ways=2, Pricing="1=1.19 (USD)", Reach SVHC Compliant=No, RoHS=Yes, RoHS Compliant=Yes, Safety Approval=UL,CSA,CUL,EAC, Stock=10011, Supplier=Digikey, Supplier 1=Digikey, Supplier Part Number 1=277-1273-ND, Terminal and Terminal Block Type="BARRIER STRIP TERMINAL BLOCK", Wire Cross Section=0.5mm2, Wire/Cable Gauge=20AWG
J5: library part SMA_Connector, "RF SMA Connector, 1 Contact(s), Female, Panel Mount, Board Mount, Surface Mount Terminal, Locking, Jack, 73251-1350 Molex", Contact Resistance=3mR, Dielectric Withstanding Voltage (AC)=1.4kV, Insulation Resistance=5GR, Manufacturer=Molex, Manufacturer Part Number=73251-1350, Manufacturer Series=73251, Max Operating Temperature=165°C, Min Operating Temperature=-65°C, Operating Frequency-Max=18kHz, Supplier Part Number=WM9458-ND, Body Depth=0.375inch, Body/Shell Style=JACK, Category="RF / Coaxial Connectors", Characteristic Impedance=50R, ComponentLink1Description=https://datasheet.ciiva.com:443/pdfs/VipMasterIC/IC/MOLE/MOLE-S-A0001396055/MOLE-S-A0001473074-1.pdf?src-supplier=IHS+Markit, ComponentLink1URL=https://datasheet.ciiva.com:443/pdfs/VipMasterIC/IC/MOLE/MOLE-S-A0001396055/MOLE-S-A0001473074-1.pdf?src-supplier=IHS+Markit, Connector Type=SMA, Contact Finish - Mating="NOT SPECIFIED", Contact Gender=Female, Contact Style=Coax, Durability=500Cycles, Insertion Loss=0.17dB, Insulation Material=Teflon, Mounting Option 1=LOCKING, Mounting Style=STRAIGHT, Mounting Technology=Board, Number of Contacts=1, Number of Ports=1, Panel Mount=Yes, Pricing="1=5.07, 10=4.458, 100=3.546, 1000=2.93808, 2500=2.73545 (USD)", Reach SVHC Compliant=No, Reliability=COMMERCIAL, RoHS=Yes, RoHS Compliant=Yes, Shell Finish=Gold, Shell Material=Brass, Stock=2853, Supplier=Digikey, Supplier 1=Digikey, Supplier Part Number 1=WM9458-ND, Termination=SMD/SMT, VSWR=1.07
L1: library part 3_9nH_0402_Inductor, "General Purpose Inductor, 0.0039uH, 2.564%, 1 Element, SMD, 0402, LQW15AN3N9B80D", DC Resistance (DCR)=30mR, Inductance-Nom (L)=0.0039uH, Inductor Application="RF INDUCTOR", Inductor Type="GENERAL PURPOSE INDUCTOR", Manufacturer=Murata, Manufacturer Part Number=LQW15AN3N9B80D, Max Current Rating=1.95A, Max Operating Temperature=125°C, Min Operating Temperature=-55°C, Self Resonant Frequency=10GHz, Supplier Part Number=490-16884-1-ND, Test Frequency=100MHz, Tolerance=2.564%, Category="Fixed Inductors", Channels=1, ComponentLink1Description=https://datasheet.ciiva.com:443/pdfs/VipMasterIC/IC/MURE/MURE-S-A0004390746/MURE-S-A0004390825-1.pdf?src-supplier=IHS+Markit, ComponentLink1URL=https://datasheet.ciiva.com:443/pdfs/VipMasterIC/IC/MURE/MURE-S-A0004390746/MURE-S-A0004390825-1.pdf?src-supplier=IHS+Markit, ComponentLink2Description=https://datasheet.ciiva.com/29692/l0075e-29692360.pdf?src-supplier=Digikey, ComponentLink2URL=https://datasheet.ciiva.com/29692/l0075e-29692360.pdf?src-supplier=Digikey, JESD-609 Code=e3, Pins=2, Pricing="1=0.22, 10=0.183, 25=0.168, 50=0.1484, 100=0.1298, 250=0.1236, 500=0.11618, 1000=0.08899, 2500=0.08405 (USD)", Quality Factor-Min (at L-nom)=35, Reach SVHC Compliant=Yes, RoHS=Yes, RoHS Compliant=Yes, Shape/Size Description="RECTANGULAR PACKAGE", Shielding=Unshielded, Stock=21269, Supplier=Digikey, Supplier 1=Digikey, Supplier Part Number 1=490-16884-1-ND, Surface Mount=Yes, Terminal Finish=Tin, Terminal Placement="Dual Ended", Termination="One Surface"
L2: library part 8_2nH_0402_Inductor, "General Purpose Inductor, 0.0082uH, 2%, 1 Element, Alumina-Core, SMD, 0402, LQW15AN8N2G00D", Case/Size Code=0402, DC Resistance (DCR)=140mR, Inductance-Nom (L)=0.0082uH, Inductor Application="RF INDUCTOR", Inductor Type="GENERAL PURPOSE INDUCTOR", Manufacturer=Murata, Manufacturer Part Number=LQW15AN8N2G00D, Max Current Rating=540mA, Max Operating Temperature=125°C, Min Operating Temperature=-55°C, Package Height=0.5mm, Package Length=1mm, Package Style=SMTMeter, Package Width=0.6mm, Self Resonant Frequency=5.5GHz, Supplier Part Number=490-6849-1-ND, Test Frequency=100MHz, Tolerance=2%, Category="Fixed Inductors", Channels=1, ComponentLink1Description=https://datasheet.ciiva.com:443/pdfs/VipMasterIC/IC/MURE/MURE-S-A0004390706/MURE-S-A0004390637-1.pdf?src-supplier=IHS+Markit, ComponentLink1URL=https://datasheet.ciiva.com:443/pdfs/VipMasterIC/IC/MURE/MURE-S-A0004390706/MURE-S-A0004390637-1.pdf?src-supplier=IHS+Markit, ComponentLink2Description=https://datasheet.ciiva.com/11799/0900766b8090d800-11799384.pdf?src-supplier=Rs, ComponentLink2URL=https://datasheet.ciiva.com/11799/0900766b8090d800-11799384.pdf?src-supplier=Rs, ComponentLink3Description=https://datasheet.ciiva.com/16455/l0075s0080lqw15a-00-16455832.pdf?src-supplier=Future+Electronics, ComponentLink3URL=https://datasheet.ciiva.com/16455/l0075s0080lqw15a-00-16455832.pdf?src-supplier=Future+Electronics, Construction="Wirewound Chip", Core Material=Alumina, JESD-609 Code=e3, Packaging="Tape and Reel", Pins=2, Pricing="1=0.15, 10=0.126, 25=0.1156, 50=0.102, 100=0.0892, 250=0.08496, 500=0.07988, 1000=0.06118, 2500=0.05778 (USD)", Quality Factor-Min (at L-nom)=25, Reach SVHC Compliant=Yes, RoHS=Yes, RoHS Compliant=Yes, Shape/Size Description="RECTANGULAR PACKAGE", Shielding=Unshielded, Stock=61912, Supplier=Digikey, Supplier 1=Digikey, Supplier Part Number 1=490-6849-1-ND, Surface Mount=Yes, Terminal Finish=Nickel, Terminal Placement="Dual Ended", Termination="One Surface"
L3: library part 2_7nH_0402_Inductor, "General Purpose Inductor, 0.0027uH, 18.519%, 1 Element, Alumina-Core, SMD, 0402, LQW15AN2N7D00D", Case/Size Code=0402, DC Resistance (DCR)=50mR, Inductance-Nom (L)=0.0027uH, Inductor Application="RF INDUCTOR", Inductor Type="GENERAL PURPOSE INDUCTOR", Manufacturer=Murata, Manufacturer Part Number=LQW15AN2N7D00D, Max Current Rating=850mA, Max Operating Temperature=125°C, Min Operating Temperature=-55°C, Package Height=0.5mm, Package Length=1mm, Package Style=SMTMeter, Package Width=0.6mm, Self Resonant Frequency=15GHz, Supplier Part Number=490-1137-1-ND, Test Frequency=100MHz, Tolerance=18.519%, Category="Fixed Inductors", Channels=1, ComponentLink1Description=https://datasheet.ciiva.com:443/pdfs/VipMasterIC/IC/MURE/MURE-S-A0004391032/MURE-S-A0004391027-1.pdf?src-supplier=IHS+Markit, ComponentLink1URL=https://datasheet.ciiva.com:443/pdfs/VipMasterIC/IC/MURE/MURE-S-A0004391032/MURE-S-A0004391027-1.pdf?src-supplier=IHS+Markit, ComponentLink2Description=https://datasheet.ciiva.com/11799/0900766b8090d5c4-11799044.pdf?src-supplier=Rs, ComponentLink2URL=https://datasheet.ciiva.com/11799/0900766b8090d5c4-11799044.pdf?src-supplier=Rs, ComponentLink3Description=https://datasheet.ciiva.com/8510/l0075s0080lqw15a-00-8510431.pdf?src-supplier=Avnet, ComponentLink3URL=https://datasheet.ciiva.com/8510/l0075s0080lqw15a-00-8510431.pdf?src-supplier=Avnet, ComponentLink4Description=https://datasheet.ciiva.com/1042/l0075s0080lqw15a-00-1042210.pdf?src-supplier=Digikey, ComponentLink4URL=https://datasheet.ciiva.com/1042/l0075s0080lqw15a-00-1042210.pdf?src-supplier=Digikey, ComponentLink5Description=https://datasheet.ciiva.com/1042/l0075s0080lqw15a-00-1042211.pdf?src-supplier=Digikey, ComponentLink5URL=https://datasheet.ciiva.com/1042/l0075s0080lqw15a-00-1042211.pdf?src-supplier=Digikey, ComponentLink6Description=https://datasheet.ciiva.com/1042/l0075s0080lqw15a-00-1042212.pdf?src-supplier=Digikey, ComponentLink6URL=https://datasheet.ciiva.com/1042/l0075s0080lqw15a-00-1042212.pdf?src-supplier=Digikey, ComponentLink7Description=https://datasheet.ciiva.com/4977/product-4977324.pdf?src-supplier=Mouser, ComponentLink7URL=https://datasheet.ciiva.com/4977/product-4977324.pdf?src-supplier=Mouser, Construction="Wirewound Chip", Core Material=Alumina, JESD-609 Code=e3, Packaging="Tape and Reel", Pins=2, Pricing="1=0.14, 10=0.114, 25=0.1052, 50=0.0928, 100=0.0811, 250=0.07724, 500=0.07262, 1000=0.05562, 2500=0.05253 (USD)", Quality Factor-Min (at L-nom)=20, Reach SVHC Compliant=Yes, RoHS=Yes, RoHS Compliant=Yes, Shape/Size Description="RECTANGULAR PACKAGE", Shielding=Unshielded, Stock=37602, Supplier=Digikey, Supplier 1=Digikey, Supplier Part Number 1=490-1137-1-ND, Surface Mount=Yes, Terminal Finish=Nickel, Terminal Placement="Dual Ended", Termination="One Surface"